# Altium PCB 6_数控电源.PcbDoc (continued)
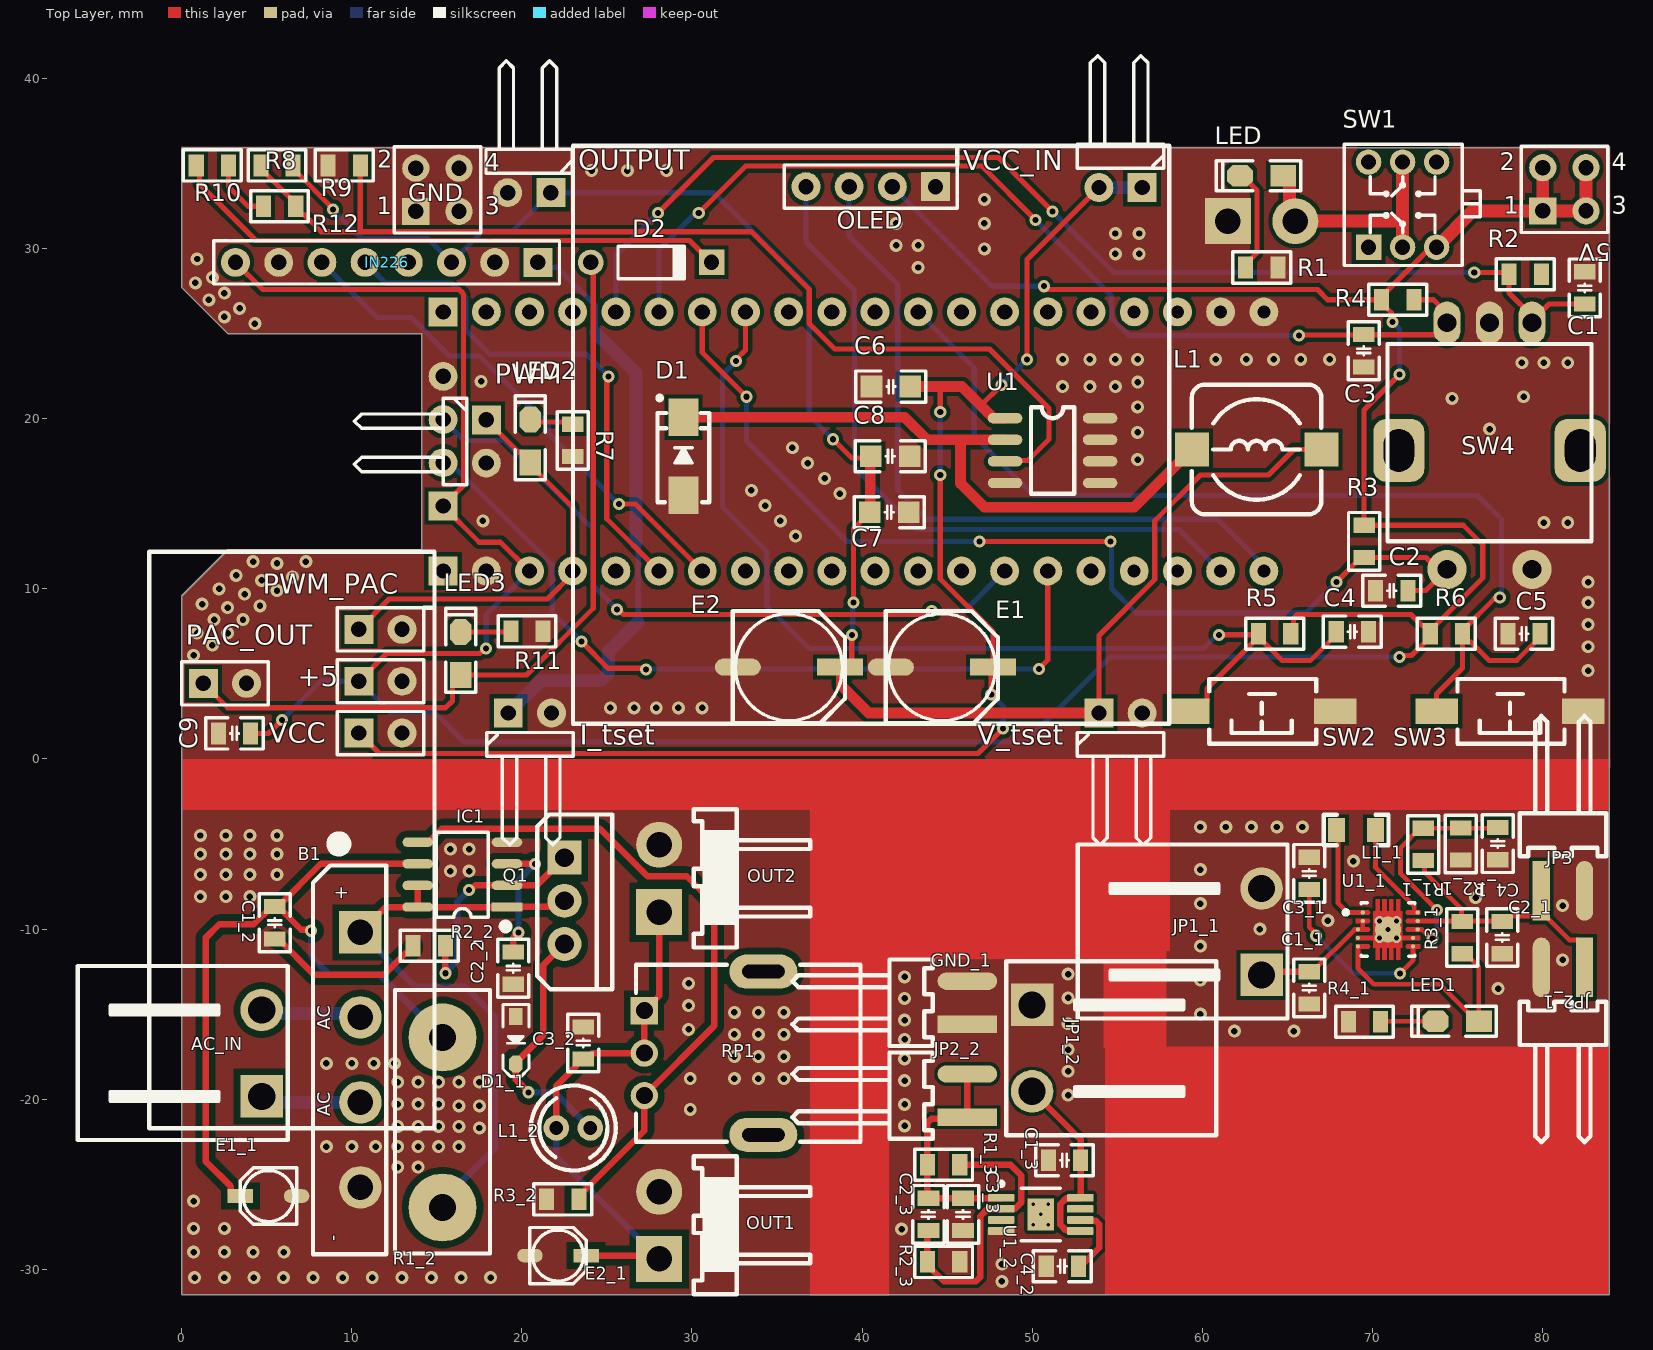
[diagram p0: Top Layer view]
## Footprints (in the part's own frame and the unit in brackets; to place one, negate y for a bottom-side part, rotate by r counter-clockwise, add the part's x,y. Pads: shape width x height; smd on the part's side, far side on the other; paste and mask are expansions set on the pad) (continued)
SMA [mm] "4.5x2.6*2.2mm（长宽高，不包括引脚）"
  rect 2.2x1.75 smd: 1(-2.3,0) 2(2.3,0)
  silkscreen extent -2.7,-1.52 3.56,1.52, body extent -2.53,-1.3 2.58,1.3, height 2.15
SOD-323 [mm] "1.8x1.3X0.9mm（长宽高，不包括引脚）"
  rect 1x0.8 smd: 1(-1.4,0)
  oct 1x0.8 smd: 2(1.4,0)
  silkscreen extent -2.11,-0.76 2.11,0.76, body extent -1.34,-0.63 1.31,0.67, height 1
SOP8 [mil] "封装库来自淘宝卖家 ID：黄晶宝石"
  oval 80x24 smd: 1(-1,-1) 2(-1,-51) 3(-1,-101) 4(-1,-151) 5(219,-151) 6(219,-101) 7(219,-51) 8(219,-1)
  silkscreen extent 59,-176 159,24, body extent -4,-174 234,24, height 63
SOP8_N [mm] "5*6*1.8mm（长宽高）封装库来自淘宝卖家 ID：黄晶宝石"
  rect 1.8x0.55 smd: 1(-2.625,1.905)
  oval 1.8x0.55 smd: 2(-2.625,0.635) 3(-2.625,-0.635) 4(-2.625,-1.905) 5(2.625,-1.905) 6(2.625,-0.635) 7(2.625,0.635) 8(2.625,1.905)
  silkscreen extent -2.69,-2.5 1.52,3.2, body extent -3,-2.5 3,2.5, height 1.9
TO220A [mm] "220，3脚晶体管  封装库来自淘宝卖家 ID：黄晶宝石"
  rect 2x2 hole 1.1: 1(-2.54,0)
  round 2 hole 1.1: 2(0,0) 3(2.54,0)
  silkscreen extent -5.08,-1.6 5.21,2.82, body extent -5.15,-1.53 5.15,2.9, height 18.5
"TSW SMD-3*6*5" [mm] "3*6*5mm"
  rect 2.5x1.5 smd: 1(-4.318,0) 2(4.318,0)
  silkscreen extent -3.21,-1.9 3.09,1.9, body extent -4.6,-1.75 4.6,1.75, height 5.1
VH3.96-WI-2P [mm] "接插件，25V/5A 淘宝ID:黄晶宝石   店铺网址:https://shop463601444.taobao.com"
  rect 2.7x2.7 hole 1.5: 1(-1.98,0)
  round 2.7 hole 1.5: 2(1.982,0)
  silkscreen extent -4.06,-8.89 4.07,-2.03, body extent -4.01,-12 4.01,0.6, height 8.76
XV09223NPV-20F [mm] "长9.85mm，宽11.55mm，高20mm       淘宝ID:黄晶宝石"
  oval 2x4 hole 0.8 slot 2.5 at 90 deg: 0(-4.8,0) 0(4.8,0)
  rect 1.6x1.6 hole 1: 1(-2.5,-7)
  round 1.6 hole 1: 2(0,-7) 3(2.5,-7)
  silkscreen extent -5.21,-7.49 5.21,5.72, body extent -4.92,-7.15 4.93,5.5, height 20

## Part data
5V GND: library part "Header 2X2", "2*2P接插件", BOM名称=2*2P接插件, 下单链接=https://item.taobao.com/item.htm?ft=t&id=613637044352, 淘宝ID=小糖豆的小窝窝
+5 AC_IN GND_1 I_tset JP1_1 JP1_2 JP2_1 JP2_2 JP3 OUT1 OUT2 OUTPUT PAC_OUT PWM PWM_PAC V_tset VCC VCC_IN 电源: library part "Header 2", "2P接插件", BOM名称=2P接插件, 下单链接=https://item.taobao.com/item.htm?ft=t&id=613637044352, 淘宝ID=小糖豆的小窝窝
B1: library part GBU, "1KV/10A整流桥", BOM名称=1KV/10A整流桥, 学习资源=https://shop463601444.taobao.com, 版权归属="封装库来自淘宝 ID：黄晶宝石"
C1 C1_1 C1_2 C1_3 C2 C2_1 C2_2 C2_3 C3 C3_1 C3_2 C3_3 C4 C4_1 C4_2 C5 C6 C7 C8 C9: library part C, "贴片电容"
  C1 C1_2 C2 C2_2 C3 C3_2: BOM名称=无极性贴片电容, 唯一出售店铺网址=https://shop463601444.taobao.com, 淘宝ID="封装库来自淘宝 ID：黄晶宝石", 联系售后，技术支持=https://shop463601444.taobao.com
  C1_1 C1_3 C2_1 C2_3 C3_1 C3_3 C4 C4_1 C4_2 C5 C6 C7 C8 C9: BOM名称=贴片电容, 下单链接=https://item.taobao.com/item.htm?ft=t&id=613637044352, 淘宝ID=小糖豆的小窝窝
D1 D1_1: "肖特基二极管", BOM名称=肖特基二极管
  D1: 下单链接=https://item.taobao.com/item.htm?ft=t&id=613637044352, 淘宝ID=小糖豆的小窝窝
  D1_1: 属性=40V/2A, 欢迎光临=https://shop463601444.taobao.com, 淘宝ID="封装库来自淘宝 ID：黄晶宝石"
D2: "开关二极管", BOM名称=高速开关二极管, 欢迎光临=https://shop463601444.taobao.com, 淘宝ID="封装库来自淘宝 ID：黄晶宝石"
E1 E2: library part CS_SMD, "贴片固态电容", BOM名称=贴片固态电容, 下单链接=https://item.taobao.com/item.htm?ft=t&id=613637044352, 淘宝ID=小糖豆的小窝窝
E1_1 E2_1: library part CE_SMD, "贴片电解电容", BOM名称=贴片电解电容, 版权归属="封装库来自淘宝 ID：黄晶宝石", 联系售后=https://shop463601444.taobao.com
IC1: "DC升降压芯片", BOM名称=DC升降压芯片, 学习资源=https://shop463601444.taobao.com, 版权归属="封装库来自淘宝 ID：黄晶宝石"
IN226: library part "Header 8", "8P接插件", BOM名称=8P接插件, 下单链接=https://item.taobao.com/item.htm?ft=t&id=613637044352, 淘宝ID=小糖豆的小窝窝
JP1 JP2: library part "Header 20", "20P接插件", BOM名称=20P接插件, 下单链接=https://item.taobao.com/item.htm?ft=t&id=613637044352, 淘宝ID=小糖豆的小窝窝
L1: library part L-CDRH, "功率屏蔽电感", BOM名称=功率屏蔽电感, 下单链接=https://item.taobao.com/item.htm?ft=t&id=613637044352, 淘宝ID=小糖豆的小窝窝
L1_1: library part L, "小功率贴片电感", BOM名称=小功率贴片电感, 下单链接=https://item.taobao.com/item.htm?ft=t&id=613637044352
L1_2: library part L-PK, "工字电感", BOM名称=工字电感, 淘宝ID="来自淘宝 ID：黄晶宝石", 联系售后=https://shop463601444.taobao.com
LED LED1 LED2 LED3: library part LED-SMD, "贴片LED", BOM名称=贴片LED
  LED LED2 LED3: 学习资源=https://shop463601444.taobao.com, 版权归属="封装库来自淘宝 ID：黄晶宝石"
  LED1: 下单链接=https://item.taobao.com/item.htm?ft=t&id=613637044352, 淘宝ID=小糖豆的小窝窝
OLED 串口: library part "Header 4", "4P接插件", BOM名称=4P接插件, 下单链接=https://item.taobao.com/item.htm?ft=t&id=613637044352, 淘宝ID=小糖豆的小窝窝
Q1: library part TIP41C, "开关三极管-NPN型", BOM名称=互补功率-NPN型, 属性="100V 6A 65W", 技术支持，联系售后=https://shop463601444.taobao.com, 联系售后="封装库来自淘宝 ID：黄晶宝石"
R1 R1_1 R1_3 R2 R2_1 R2_2 R2_3 R3 R3_1 R3_2 R4 R4_1 R5 R6 R7 R8 R9 R10 R11 R12: library part R, "贴片电阻", BOM名称=贴片电阻
  R1 R2 R2_2 R3 R3_2 R4 R7 R11: 封装库来自淘宝卖家 ID：黄晶宝石=其他店铺购入均为盗版，不享受售后技术支持服务，请立即申请退款, 版权归属="来自淘宝 ID：黄晶宝石", 联系售后=https://shop463601444.taobao.com
  R1_1 R1_3 R2_1 R2_3 R3_1 R4_1 R5 R6 R8 R9 R10 R12: 下单链接=https://item.taobao.com/item.htm?ft=t&id=613637044352, 淘宝ID=小糖豆的小窝窝
R1_2: library part R_MPR, "5W无感水泥电阻", BOM名称=大功率电阻, 版权归属="封装库来自淘宝 ID：黄晶宝石", 联系售后=https://shop463601444.taobao.com
RP1: library part RP, "单联电位器", BOM名称=插件电位器, 版权归属="封装库来自淘宝 ID：黄晶宝石", 联系售后=https://shop463601444.taobao.com
SW1: "7*7自锁开关", BOM名称=7*7自锁开关, 下单链接=https://item.taobao.com/item.htm?ft=t&id=613637044352, 淘宝ID=小糖豆的小窝窝
SW2 SW3: library part "TSW 3x6", "3x6轻触开关", BOM名称=3x6轻触开关, 下单链接=https://item.taobao.com/item.htm?ft=t&id=613637044352, 淘宝ID=小糖豆的小窝窝
SW4: "数字开关编码器", BOM名称=数字编码开关, 封装库来自淘宝卖家 ID：黄晶宝石=其他店铺购入均为盗版，不享受售后技术支持服务，请立即申请退款, 技术支持，联系售后=https://shop463601444.taobao.com, 版权归属="封装库来自淘宝 ID：黄晶宝石"
U1: BOM_JLCPCB Part Class="Extended Part", BOM_Manufacturer=UMW(友台半导体), BOM_Manufacturer Part=XL1509-ADJ, BOM_Supplier=LCSC, BOM_Supplier Part=C2681227, Contributor=LCSC, JLCPCB Part Class="Extended Part", spicePre=U, spiceSymbolName=XL1509-ADJ
U1_1: library part CMP-04918-000043-1, "IC REG BCK BST ADJ 2A 10WSON", Ambient Temperature Range High=+85°C, Ambient Temperature Range Low=-40°C, Manufacturer="Texas Instruments", Max Junction Temp=+125°C, Max Supply Voltage=12V, Min Supply Voltage=2.5V, Nominal Supply Current=30uA, Output Current=1A, Output Voltage=2.5-8V, Package=DSC0010G, Switching Frequency=2400kHz, Temperature="-40°C to +85°C", Automotive=No, Category=IC, ComponentLink2Description=Datasheet, ComponentLink2URL=http://www.ti.com/lit/ds/symlink/tps63060.pdf, Device Class L1="Integrated Circuits (ICs)", Device Class L2="Power Management ICs", Device Class L3="Voltage Regulators - Switching", Digikey Description="IC REG BCK BST ADJ 2A 10WSON", Height=0.8mm, Ipc Land Pattern Name=DFN300X300X70-10, Lead Free=Yes, Manufacturer Part Number=TPS63060DSCR, Max Duty Cycle=100%, Mouser Description="Voltage Regulators - Switching Regulators 2.5-12Vin,2.25A Sw Crnt Limit", Number Of Outputs=1, Octopart=https://octopart.com/tps63060dscr-texas+instruments-21396306, Output Type=AdjustableProgrammable, RoHS=TRUE, Standoff Height=0mm, Switching Topology=Buck-Boost, Temperature Range High=+85°C, Temperature Range Low=-40°C
U1_2: library part CMP-0394-01238-2, "Single Output High PSRR LDO, 150 mA, Adjustable 1.2 to 33 V Output, 3 to 36 V Input, with Ultra-Low Noise, 8-pin MSOP (DGN), -40 to 125 degC, Green (RoHS & no Sb/Br)", Manufacturer="Texas Instruments", Power Good=TRUE, Accuracy(%)=1.5, Code_JEDEC=MO-187, ComponentLink1Description="Manufacturer URL", ComponentLink1URL=http://www.ti.com/, ComponentLink2Description=Datasheet, ComponentLink2URL=http://www.ti.com/general/docs/lit/getliterature.tsp?genericPartNumber=TPS7A4901&fileType=pdf, ComponentLink3Description="Package Specification", ComponentLink3URL=http://www.ti.com/litv/pdf/mpds046e, DatasheetVersion=SBVS121B, Eco-Plan="Green (RoHS & no Sb/Br)", Iout(Max)(A)=0.15, Iq(Typ)(mA)=0.06, Mounting Technology="Surface Mount", PackageDescription="8-pin Plastic Small Outline, Body 3 x 3 mm, Pitch 0.65 mm", PackageReference=DGN0008D, PackageVersion=4073271/F, PartNumber=TPS7A4901DGNT, SubFamily="Single Channel LDO", Vdo(Typ)(mV)=260, Vin(Max)(V)=36, Vin(Min)(V)=3, Vout Adj(Max)(V)=33, Vout Adj(Min)(V)=1.2

## Via types
v1: diameter 0.762, hole 0.381, Top Layer to Bottom Layer, 202 vias
v2: diameter 0.711, hole 0.356, Top Layer to Bottom Layer, 46 vias
v3: diameter 0.5, hole 0.2, Top Layer to Bottom Layer, 5 vias
v4: diameter 0.6, hole 0.3, Top Layer to Bottom Layer, 5 vias

## Nets (pads, with @x,y where several pads share a name; then routed paths per layer and width w, separated by ;. In a path a pad name is that pad's centre, name@x,y a point inside that pad or via, vN(x,y) a via of type N, cw(c..) or ccw(c..) an arc to the next point about the centre after c; other vN are vias at no path point)
5V: 5V.1 5V.2 5V.3 5V.4 +5.1 C9.2 IN226.8 JP2.3 OLED.2 R2.2 R3.2 R4.2 R5.2 R6.2 SW1.3 串口.1 | length 211.5
  Top Layer w0.305: IN226.8 4.76,27.6 16.321,27.6 16.5,27.421 16.5,27.4 16.573,27.327 16.573,16.085 串口.1 17.497,12.749 18.747,12.749 JP2.3 ; C9.2 5.1,1.5 v2(5.9,2.3) ; +5.1 12.042,6.2 17.518,6.2 17.818,6.5 v2(17.9,6.5) ; v2(50.7,27.8) 50.9,27.6 66.779,27.6 67.379,27 R4.2 ; R5.2 65.364,7.518 65.364,8.28 65.585,8.5 72.277,8.5 72.928,7.849 73.119,7.849 R6.2@73.411,7.556 ; v2(71.2,25.7) 71.122,25.778 71.122,26.237 70.55,26.81 R4.2 ; v2(71.6,6) 71.678,6.078 72.313,6.078 73.411,7.175 R6.2 R6.2@73.411,7.556 ; v2(71.6,22.6) 69.521,20.521 R3.2 75.356,13.744 76.5,12.6 76.5,10.646 R6.2@73.411,7.556 ; SW1.3 73.558,29.87 73.23,29.87 70.55,27.191 R4.2
  Top Layer w0.762: SW1.3 75.918,32.23 5V.1 ; 5V.2 5V.1 ; 5V.4 5V.3 5V.1
  Bottom Layer w0.305: v2(5.9,2.3) 8.172,4.572 +5.1 12.256,2.73 14.87,2.73 16.6,1 49.6,1 54.592,5.992 62.998,5.992 63.006,6 v2(71.6,6) ; v2(17.9,6.5) 17.9,8.502 JP2.3 ; OLED.2 47.638,27.8 v2(50.7,27.8) ; v2(71.2,25.7) 71.6,25.3 v2(71.6,22.6)
FB: R8.1 R9.2 R12.2 U1.3 | length 62.6
  Top Layer w0.305: R8.1 4.65,34.709 6.377,32.983 6.408,32.983 6.7,32.691 R12.2 6.7,32.31 6.992,32.017 7.183,32.017 8.2,31 10.5,31 ; R9.2 10.5,31 ; U1.3 48.47,17.558 49.78,17.558 49.8,17.579 49.8,17.6 51,18.8 51,20.6 47.5,24.1 38.4,24.1 36.893,25.607 36.893,27.607 33.5,31 10.5,31
IN+: I_tset.1 IN226.1 | length 34.7
  Bottom Layer w0.305: IN226.1 21.228,28.912 22.069,28.912 24.321,26.66 24.321,25.079
  Bottom Layer w0.33: 26.7,12.7 26.839,12.561 26.839,8.061
  Bottom Layer w0.762: I_tset.1 21.1,4.6 24.654,4.6 25.1,5.046 25.1,6.323 26.839,8.061 ; 24.321,25.079 26.7,22.7 26.7,12.7
IN-: +5.2 C1.1 C2.1 C3.1 C4.1 C5.1 C6.1 C7.1 C8.1 C9.1 D1.1 E1.2 E2.2 GND.1 GND.2 GND.3 GND.4 I_tset.2 IN226.2 IN226.7 JP1.19 JP1.20 JP2.2 OLED.1 OUTPUT.2 PAC_OUT.2 PWM.2 PWM_PAC.2 R1.1 R7.1 R9.1 R11.1 SW2.1 SW3.1 SW4.2 SW4.C U1.4 U1.5 U1.6 U1.7 U1.8 V_tset.2 VCC.2 串口.4 电源.1
  other v1: 25.2,3 26.6,3 27.9,3 29.2,3 30.6,3 82.7,5.2 0.7,6.1 82.7,6.6 1.8,6.7 0.9,7.4 2.7,7.4 82.7,7.9 1.9,8.2 3.6,8.2 2.7,8.9 4.6,9 1.2,9.1 82.7,9.2 3.7,9.7 5.6,9.9 2.2,10 82.7,10.4 4.7,10.5 6.5,10.7 3.2,10.8 5.6,11.5 4.2,11.6 7.3,11.6 36.1,13.1 80.1,13.9 81.5,13.9 17.7,14 35.2,14 34.3,14.9 38.7,15.6 33.5,15.8 37.8,16.5 36.8,17.4 56.2,17.6 35.9,18.3 56.2,19.2 76.9,19.4 56.2,20.7 74.7,21.2 78.9,21.3 51.8,21.9 53.4,21.9 54.9,21.9 56.215,22.163 17.6,22.2 78.8,23.3 80.1,23.3 81.5,23.3 51.8,23.5 53.4,23.5 54.9,23.5 56.2,23.5 60.8,23.5 62.6,23.5 64.2,23.5 65.8,23.5 67.5,23.5 4.3,25.6 2.5,26 3.4,26.5 1.6,27 2.5,27.4 0.8,28 1.8,28.3 43.3,28.9 0.9,29.4 54.9,29.7 56.3,29.7 47.2,30 42,30.2 43.3,30.2 54.9,30.9 56.3,30.9 42,31.5 47.2,31.5 47.2,32.9 24.1,34.6 26.2,34.6 28.5,34.6
NetD2_2: D2.2 R10.2 | length 33.2
  Top Layer w0.305: R10.2 1.04,34.71 1.04,33.808 4.356,30.492 29.858,30.492 D2.2
NetLED2_2: LED2.2 R7.2 | length 2.6
  Top Layer w0.305: LED2.2 20.637,19.822 22.845,19.822 R7.2
NetLED3_2: LED3.2 R11.2 | length 3
  Top Layer w0.305: LED3.2 19.32,7.47 R11.2
NetLED_1: LED.1 SW1.2 SW1.5 电源.2 | length 14.3
  Top Layer w0.762: LED.1 64.872,34.29 65.126,34.036 65.126,31.979 电源.2 71.764,31.623 71.787,31.6 ; SW1.2 71.787,31.6 ; SW1.5 71.787,31.6
NetLED_2: LED.2 R1.2 | length 6.2
  Top Layer w0.305: LED.2 62.357,34.29 63.226,33.421 63.226,29.766 62.55,29.091 R1.2
NetR10_1: R10.1 R12.1 | length 3.8
  Top Layer w0.305: R10.1 2.75,33.65 3.9,32.5 R12.1
OUTPUT: D1.2 L1.1 U1.2 | length 37.6
  Top Layer w0.635: D1.2 42.506,20.1 43.836,18.77 45.8,18.77 ; U1.2 45.8,18.77 ; L1.1 55.99,14.8 47.2,14.8 45.8,16.2 45.8,18.77
PA0: C1.2 JP1.5 R2.1 SW4.A | length 68
  Top Layer w0.305: v2(28,32.1) 31.269,35.369 48.031,35.369 v2(51.2,32.2) ; v2(76,28.6) 77.95,28.6 R2.1 78.05,27.408 79.4,26.058 SW4.A@79.4,25.75 ; SW4.A SW4.A@79.4,25.75 ; C1.2 80.401,26.75 SW4.A@79.4,25.75
  Bottom Layer w0.305: JP1.5 25.527,29.627 v2(28,32.1) ; v2(51.2,32.2) 54.8,28.6 v2(76,28.6)
PA1: C3.2 JP1.6 R4.1 SW4.B | length 60.1
  Top Layer w0.305: v2(30.4,32.1) 33.161,34.861 47.039,34.861 v2(50.2,31.7) ; v2(65.7,24.9) 65.725,24.925 69.285,24.925 69.31,24.95 73.799,24.95 74.4,25.55 SW4.B 74.4,26.2 73.6,27 R4.1
  Bottom Layer w0.305: JP1.6 28.067,29.967 30.122,32.022 30.322,32.022 v2(30.4,32.1) ; v2(50.2,31.7) 54.673,27.227 54.673,25.918 55.691,24.9 v2(65.7,24.9)
PA2: C2.2 JP1.7 R3.1 SW4.1 | length 60.1
  Top Layer w0.305: JP1.7 30.607,23.893 v2(33.2,21.3) ; v2(46.9,12.789) v2(54.6,12.789) ; v2(67.9,10.4) 67.9,10.413 69.331,11.844 R3.1 73.166,11.844 73.86,11.15 SW4.1 73.15,9.9 C2.2
  Bottom Layer w0.305: v2(33.2,21.3) 33.2,18.7 39.111,12.789 v2(46.9,12.789) ; v2(54.6,12.789) 54.673,12.716 54.673,10.027 56.1,8.6 66.1,8.6 v2(67.9,10.4)
PA3: C4.2 JP1.8 R5.1 SW2.2 | length 61.8
  Top Layer w0.305: v2(32.6,23.4) 32.6,23.5 33.147,24.047 JP1.8 ; SW2.2 59.682,2.8 60.28,3.398 60.28,4.143 R5.1@63.312,7.175 ; v2(61,7.3) 63.246,7.3 R5.1 R5.1@63.312,7.175 ; C4.2 67.884,7.303 66.382,5.8 64.687,5.8 R5.1@63.312,7.175
  Bottom Layer w0.305: v2(32.6,23.4) 31.8,22.6 31.8,14.8 34.4,12.2 34.4,9 36.9,6.5 60.09,6.5 60.89,7.3 v2(61,7.3)
PA7: C5.2 JP1.12 R6.1 SW3.2 | length 60.6
  Top Layer w0.305: SW3.2 73.783,2.801 73.783,3.829 75.311,5.356 R6.1@75.311,7.175 ; v2(77.5,9.5) 77.422,9.422 77.177,9.422 75.311,7.556 R6.1 R6.1@75.311,7.175 ; C5.2 79.878,7.175 78.503,5.8 76.877,5.8 75.794,6.883 75.603,6.883 R6.1@75.311,7.175
  Bottom Layer w0.305: JP1.12 46.6,22.996 46.6,19 50.1,15.5 76.2,15.5 77.6,14.1 77.6,9.6 v2(77.5,9.5)
PA9/TXD1: JP2.15 串口.2 | length 47.7
  Top Layer w0.305: v2(23.5,6.9) 25.065,5.335 27.242,5.335 v2(27.307,5.27) ; v2(50.4,5.3) 50.927,5.827 JP2.15
  Bottom Layer w0.305: 串口.2 15.745,17.419 16.164,17 16.201,17 21.781,11.42 21.781,8.619 v2(23.5,6.9) ; v2(27.307,5.27) 27.336,5.3 v2(50.4,5.3)
PA10/RXD1: JP2.14 串口.3 | length 40.8
  Top Layer w0.305: v2(25.6,8.8) 25.671,8.8 25.982,8.489 43.779,8.489 43.99,8.7 v2(44.1,8.7)
  Bottom Layer w0.305: 串口.3 16.593,18.733 18.967,18.733 24.193,13.507 24.193,10.207 v2(25.6,8.8) ; v2(44.1,8.7) 46.038,8.7 JP2.14
PAC_OUT: D2.1 LED3.1 PAC_OUT.1 | length 46.9
  Top Layer w0.305: PAC_OUT.1 2.704,3.011 15.511,3.011 15.917,3.417 15.917,4.447 LED3.1 20.262,4.93 24.2,8.868 24.2,29.05 D2.1
PB6: IN226.6 JP2.7 | length 30.2
  Top Layer w0.305: v2(25.7,15) 25.709,14.991 26.665,14.991 JP2.7
  Bottom Layer w0.305: IN226.6 11.487,25.953 13.5,25.953 15.749,23.705 17.495,23.705 21.559,19.641 21.559,19.141 v2(25.7,15)
PB7: IN226.5 JP2.6 | length 31
  Top Layer w0.305: v2(25.1,22.5) 25.022,22.422 25.022,22.152 24.989,22.118 24.989,14.127 JP2.6
  Bottom Layer w0.305: IN226.5 11.986,27.994 15.864,27.994 16.701,27.157 16.701,25.217 18.118,23.8 23.8,23.8 v2(25.1,22.5)
PB9: JP2.4 LED2.1 PWM.1 PWM_PAC.1 | length 25.2
  Top Layer w0.305: PWM_PAC.1 12.194,9.4 21.5,9.4 22.987,10.887 JP2.4 22.987,14.805 20.495,17.297 LED2.1 20.495,17.551 20.012,18.034 19.812,18.034 PWM.1
PB12: JP2.20 OLED.3 | length 42.7
  Bottom Layer w0.305: OLED.3 39.243,30.757 42.101,27.899 42.101,15.799 43.8,14.1 60.9,14.1 63.627,11.373 JP2.20
PB13: JP2.19 OLED.4 | length 41.7
  Bottom Layer w0.305: OLED.4 36.703,30.397 39.561,27.539 39.561,17.139 43.2,13.5 58.636,13.5 JP2.19
VBS: C7.2 C8.2 E2.1 IN226.3 L1.2 OUTPUT.1 R8.2 V_tset.1 | length 103.5
  Top Layer w0.305: R8.2 6.55,34.709 8.9,32.359 v2(8.9,32.3) ; v2(38.3,18.8) 39.4,17.7 40.414,17.7 40.486,17.772 C8.2 ; E2.1 39.052,5.4 39.4,5.748 v2(39.4,7.3) ; v2(39.5,9.2) 39.5,13.543 C7.2 ; V_tset.1 53.93,7.267 57.213,10.55 57.213,14.013 59.9,16.7 63.9,16.7 65.4,18.2 L1.2
  Top Layer w0.635: E2.1 38.781,5.319 38.781,4.319 40.4,2.7 V_tset.1 ; C7.2 40.486,14.529 C8.2@40.486,17.772
  Bottom Layer w0.305: v2(8.9,32.3) 10.6,30.6 14.46,30.6 IN226.3 17.695,31.035 19.435,31.035 OUTPUT.1 31.3,33.3 36.9,27.7 36.9,20.2 v2(38.3,18.8) ; v2(39.4,7.3) 39.45,7.35 39.45,9.15 v2(39.5,9.2)
VCC: C6.2 E1.1 U1.1 VCC.1 VCC_IN.1 VCC_IN.2 | length 85.3
  Top Layer w0.305: VCC.1 11.62,0.318 46.818,0.318 v2(48.3,1.8) ; v2(44.6,16.7) 44.6,10.591 47.7,7.491 E1.1 47.6,5.3 v2(47.6,3.8) ; v2(44.6,20.4) 44.6,21.8 44.7,21.9 ; 46.983,20.783 v2(48.2,22) ; v2(49.7,23.5) 49.7,29.37 VCC_IN.2
  Top Layer w0.635: C6.2 44.7,21.9 45.866,21.9 46.983,20.783 47.726,20.04 U1.1
  Bottom Layer w0.305: v2(44.6,16.7) v2(44.6,20.4) ; v2(47.6,3.8) 48.3,3.1 v2(48.3,1.8) ; v2(48.2,22) v2(49.7,23.5)
  Bottom Layer w0.762: VCC_IN.2 VCC_IN.1
pads on no net: AC_IN.1 AC_IN.2 B1.AC1 B1.AC2 B1.DC+ B1.DC- C1_1.1 C1_1.2 C1_2.1 C1_2.2 C1_3.1 C1_3.2 C2_1.1 C2_1.2 C2_2.1 C2_2.2 C2_3.1 C2_3.2 C3_1.1 C3_1.2 C3_2.1 C3_2.2 C3_3.1 C3_3.2 C4_1.1 C4_1.2 C4_2.1 C4_2.2 D1_1.1 D1_1.2 E1_1.1 E1_1.2 E2_1.1 E2_1.2 GND_1.1 GND_1.2 IC1.1 IC1.2 IC1.3 IC1.4 IC1.5 IC1.6 IC1.7 IC1.8 IN226.4 JP1.1 JP1.2 JP1.3 JP1.4 JP1.9 JP1.10 JP1.11 JP1.13 JP1.14 JP1.15 JP1.16 JP1.17 JP1.18 JP1_1.1 JP1_1.2 JP1_2.1 JP1_2.2 JP2.1 JP2.5 JP2.8 JP2.9 JP2.10 JP2.11 JP2.12 JP2.13 JP2.16 JP2.17 JP2.18 JP2_1.1 JP2_1.2 JP2_2.1 JP2_2.2 JP3.1 JP3.2 L1_1.1 L1_1.2 L1_2.1 L1_2.2 LED1.1 LED1.2 OUT1.1 OUT1.2 OUT2.1 OUT2.2 Q1.1 Q1.2 Q1.3 R1_1.1 R1_1.2 R1_2.1 R1_2.2 R1_3.1 R1_3.2 R2_1.1 R2_1.2 R2_2.1 R2_2.2 R2_3.1 R2_3.2 R3_1.1 R3_1.2 R3_2.1 R3_2.2 R4_1.1 R4_1.2 RP1.0 RP1.1 RP1.2 RP1.3 SW1.1 SW1.4 SW1.6 SW4.0 U1_1.1 U1_1.2 U1_1.3 U1_1.4 U1_1.5 U1_1.6 U1_1.7 U1_1.8 U1_1.9 U1_1.10 U1_1.11 U1_2.1 U1_2.2 U1_2.3 U1_2.4 U1_2.5 U1_2.6 U1_2.7 U1_2.8 U1_2.9
copper on no net: | length 339.4
  Top Layer w0.279: 66.292,-12.511 66.483,-12.511 68.965,-10.028 69.162,-10.028 ; 66.292,-7.68 66.292,-9.883 66.688,-10.279 v2(66.688,-10.396) ; 67.907,-4.175 67.984,-4.252 67.984,-8.466 68.543,-9.025 69.45,-9.025 ; 69.165,-11.025 69.165,-12.314 70.105,-13.253 73.972,-13.253 76.143,-15.425 76.27,-15.425 76.27,-12.23 75.491,-11.45 75.3,-11.45 ; 69.165,-10.025 69.433,-10.025 69.45,-10.008 69.45,-9.525 ; 69.305,-10.523 72.398,-10.523 72.4,-10.525 ; 70.193,-4.175 70.193,-6.38 72.47,-8.657 72.47,-8.885 ; 70.498,-15.451 70.524,-15.425 73.73,-15.425 ; v2(71.641,-12.606) 72.4,-11.847 72.4,-11.025 ; 72.675,-10.025 72.906,-10.025 73.43,-10.548 v2(73.546,-10.548) ; 72.675,-9.525 75.085,-9.525 75.11,-9.55 75.3,-9.55 75.252,-9.502 75.252,-8.85 73.076,-6.675 73.076,-6.051 73,-5.975 ; v2(73.8,-8.877) 71.667,-6.744 71.667,-5.218 72.809,-4.075 73,-4.075 77.325,-4.075 77.375,-4.025 ; 75.3,-9.525 77.625,-9.525 77.65,-9.55 77.955,-9.245 79.577,-9.245 79.947,-8.875 ; 79.947,-7.754 79.947,-8.875 ; 82.487,-12.25 82.487,-11.01 82.117,-10.64 81.593,-10.64 79.947,-8.994 79.947,-8.875
  Top Layer w0.381: 3.449,-25.7 3.099,-25.7 2.89,-25.49 2.89,-25.14 1.4,-23.651 1.4,-10.523 2.197,-9.726 4.233,-9.726 5.284,-8.675 5.475,-8.675 5.665,-8.675 ; 5.475,-10.575 5.665,-10.575 7.79,-12.7 11.875,-12.7 13.155,-11.42 13.346,-11.42 13.6,-11.166 13.6,-10.975 ; v2(7.6,-10.1) 7.537,-10.037 7.027,-10.037 5.665,-8.675 ; 10.507,-10.192 11.994,-8.705 13.875,-8.705 ; 13.875,-7.435 13.875,-8.705 ; 13.875,-6.165 8.175,-6.165 5.665,-8.675 ; 13.875,-4.895 14.5,-4.895 15.295,-4.1 24.592,-4.1 27.392,-6.9 29.7,-6.9 31.3,-8.5 31.3,-15.7 27.2,-19.8 27.2,-21.86 23.4,-25.66 23.4,-25.8 23.35,-25.85 23.35,-25.9 ; v2(15.5,-12.6) 15.5,-10.975 ; v2(16.9,-7.7) 16.989,-7.7 17.254,-7.435 19.125,-7.435 20.865,-7.435 22.5,-5.8 ; 19.125,-8.705 13.875,-8.705 ; 19.125,-6.165 v2(20.776,-6.165) ; 19.5,-11.35 19.5,-10.5 v2(19.8,-10.2) ; 19.7,-8.7 22.4,-8.7 23,-8.1 ; v2(20.4,-19.6) 19.65,-18.85 19.65,-17.95 19.65,-17.85 21.243,-16.257 21.243,-12.137 22.5,-10.88 ; 22.025,-21.7 22.025,-19.225 23.155,-18.094 23.155,-17.904 23.409,-17.65 23.6,-17.65 23.79,-17.65 24.14,-17.3 27.2,-17.3 27.2,-14.8 28.071,-13.929 28.071,-9.004 ; 23.776,-29.2 27.87,-29.2 28.071,-29.401 ; 43.653,-23.667 43.846,-23.86 ; 43.907,-27.731 43.846,-27.792 43.846,-29.575 43.846,-29.766 44.799,-30.718 46.701,-30.718 46.955,-30.464 46.955,-26.881 47.346,-26.491 48.152,-26.491 48.186,-26.456 48.221,-26.422 49.027,-26.422 49.368,-26.08 49.368,-24.495 48.733,-23.86 45.746,-23.86 ; 46.193,-18.526 46.193,-21.066 46.101,-21.158 44.069,-21.158 44.034,-21.194 43.846,-21.381 43.846,-23.86 ; 48.186,-25.806 48.174,-25.819 45.952,-25.819 45.939,-25.831 43.907,-25.831 43.846,-25.77 43.846,-23.86 ; 50.003,-19.542 52.858,-22.397 52.858,-23.606 52.858,-25.784 52.836,-25.806 52.802,-25.841 51.996,-25.841 51.654,-26.182 51.654,-27.38 51.996,-27.722 52.802,-27.722 52.836,-27.756 ; 52.797,-30.083 52.797,-29.893 53.954,-28.736 53.954,-27.364 53.731,-27.141 52.871,-27.141 52.836,-27.106 ; 63.498,-12.699 63.686,-12.511 66.292,-12.511
  Bottom Layer w0.279: v2(66.688,-10.396) 68.898,-12.606 v2(71.641,-12.606) ; v2(73.546,-10.548) 73.546,-10.432 73.8,-10.178 v2(73.8,-8.877)
  Bottom Layer w0.381: v2(7.6,-10.1) 7.6,-11.6 8.7,-12.7 11.658,-12.7 15.333,-16.375 ; 10.507,-10.192 13.715,-13.4 16.677,-13.4 18.4,-15.123 18.4,-22.9 15.333,-25.967 15.333,-26.375 ; v2(15.5,-12.6) 16.2,-11.9 16.2,-8.4 v2(16.9,-7.7) ; v2(19.8,-10.2) 19.8,-7.141 v2(20.776,-6.165) ; v2(20.4,-19.6) 21.925,-19.6 24.025,-21.7 ; 22.025,-21.7 22.025,-23.355 28.071,-29.401
  Bottom Layer w0.762: 4.7,-19.84 5.052,-20.192 10.507,-20.192 ; 4.7,-14.76 4.916,-14.976 10.291,-14.976 10.507,-15.192
  other v1: 48.225,-30.718 0.76,-30.5 2.5,-30.5 4.24,-30.5 5.98,-30.5 7.72,-30.5 9.46,-30.5 11.2,-30.5 12.94,-30.5 14.68,-30.5 16.42,-30.5 18.16,-30.5 48.225,-29.702 0.7,-29 2.5,-29 4.2,-29 6,-29 42.332,-27.645 0.7,-27.6 2.5,-27.6 0.7,-26 12.7,-24 13.9,-24 8.5,-22.8 10,-22.8 11.4,-22.8 12.7,-22.8 13.9,-22.8 15.1,-22.8 16.3,-22.8 17.5,-21.7 12.7,-21.6 13.9,-21.6 15.1,-21.6 16.3,-21.6 42.51,-21.574 29.9,-20.6 16.3,-20.4 17.5,-20.4 12.7,-20.3 13.9,-20.3 15.1,-20.3 42.51,-20.304 52.121,-19.76 12.7,-19 13.9,-19 15.1,-19 16.3,-19 17.5,-19 42.51,-18.907 29.9,-18.8 32.5,-18.8 33.9,-18.8 35.4,-18.8 52.121,-18.363 8.5,-17.9 10,-17.9 11.3,-17.9 12.5,-17.9 42.51,-17.637 32.5,-17.5 33.9,-17.5 35.4,-17.5 52.121,-17.093 42.51,-16.494 32.5,-16.2 33.9,-16.2 35.4,-16.2 61.9,-16 65.4,-16 29.8,-15.9 52.121,-15.569 42.51,-15.351 59.9,-15 32.5,-14.9 33.9,-14.9 35.4,-14.9 29.8,-14.5 42.51,-14.081 52.121,-14.045 77.4,-13.5 29.8,-13.2 59.9,-13 42.51,-12.811 52.121,-12.648 81.192,-11.818 59.9,-11 63.4,-10 67.4,-9.5 81.192,-8.618 59.9,-8.5 76.086,-8.161 1.1,-8.1 2.6,-8.1 4,-8.1 1.1,-6.8 2.6,-6.8 4,-6.8 5.6,-6.8 15.8,-6.6 16.9,-6.6 59.9,-6.5 68.9,-6 1.1,-5.6 2.6,-5.6 4,-5.6 5.6,-5.6 15.8,-5.3 16.9,-5.3 1.1,-4.5 2.6,-4.5 4,-4.5 5.6,-4.5 59.9,-4 61.4,-4 62.9,-4 64.4,-4 65.9,-4
  other v3: 50.061,-27.381 50.961,-27.381 50.511,-26.781 50.061,-26.181 50.961,-26.181
  other v4: 70.425,-10.525 71.425,-10.525 70.925,-10.025 70.425,-9.525 71.425,-9.525

## Polygon pours and split planes (outlines as drawn)
no net on Top Layer "NONET_L01_P010" (solid, remove dead copper, pour order 10): 54.371,-11.795 54.371,-31.545 41.621,-31.545 41.621,-11.795
no net on Top Layer "NONET_L01_P009" (solid, remove dead copper, pour order 9): 0,-3 36.9,-3 36.9,-31.5 0,-31.5
no net on Top Layer "NONET_L01_P006" (solid, remove dead copper, pour order 6): 57.9,-3 83.9,-3 83.9,-17 57.9,-17
IN- on Top Layer "IN-_L01_P000" (solid, remove dead copper, pour order 0): 0,36 84,36 84,0 0,0 0,9.6 2.6,12.2 14,12.2 14.1,12.3 14.1,25 2.7,25 0,27.7 0,27.8
no net on Bottom Layer "NONET_L02_P011" (solid, remove dead copper, pour order 11): 54.371,-11.795 41.621,-11.795 41.621,-31.545 54.371,-31.545
no net on Bottom Layer "NONET_L02_P008" (solid, remove dead copper, pour order 8): 0,-3 36.8,-3 36.8,-31.5 0,-31.5
no net on Bottom Layer "NONET_L02_P007" (solid, remove dead copper, pour order 7): 57.9,-3 83.9,-3 83.9,-17 57.9,-17
IN- on Bottom Layer "IN-_L02_P001" (solid, remove dead copper, pour order 1): 0,36 84,36 84,-0.1 0,-0.1 0,9.6 2.7,12.3 14.1,12.3 14.1,25 2.7,25 0,27.7

## Other copper
Top Layer:
  rectangle net IN-: 54.2,-17 57.9,-11.2
  rectangle net IN-: 36.9,-31.545 41.621,-11.3
  rectangle: 54.3,-31.5 83.9,-16.9
  rectangle net IN-: 36.9,-11.3 58.1,-3
  rectangle net IN-: 0,-3 83.9,-0.5
  rectangle net IN-: 0,-0.5 84,0
  rectangle: 40.6,-11.8 55,-11.1
  rectangle net IN-: 80.7,-3 83.9,-0.5

## Silkscreen, mask and mechanical layers (free items; w line width, h text height)
Top Overlay:
  lines w0.254: 14.224,8.89 14.859,8.89 ; 45.599,34.95 45.599,36.057 ; 58.008,2.067 23.008,2.067 23.008,36.067 58.06,36.067 58.06,2.067 ; -1.905,-21.717 14.859,-21.717 14.859,12.192 -1.905,12.192 -1.905,-4.953 -1.905,-21.717
Bottom Overlay:
  text "DC_5V0.15A" at 42.23,-12.045 h2.03 r270
  text "DC_5V1A" at 83.449,-13.749 h2.03 r90
  text "DC_12V" at 52.73,-14.045 h2.03 r270
  text "DC_4.5~12V" at 59.541,-15.5 h2.03 r90
  text "AC_2.5~40V" at 2.251,-24.1 h2.54 r90
  text "DC_1.25~40V" at 31.851,-24.1 h2.54 r90
Mechanical 1:
  lines w0.254: -4.708,-29.993 -4.2,-31.517 ; -4.708,34.4 -4.2,35.924 ; -4.454,-31.517 -3.946,-31.517 ; -4.454,35.924 -3.946,35.924 ; -4.2,-5.694 -4.2,-31.517 ; -4.2,10.1 -4.2,35.924 ; -3.692,-29.993 -4.2,-31.517 ; -3.692,34.4 -4.2,35.924 ; 0,-3.025 0,-31.5 36.85,-31.5 83.95,-31.5 83.95,-17.038 ; 0,-3 0,0 0,9.6 2.7,12.3 14.078,12.3 ; 0,27.75 0,27.7 2.7,25 ; 14.097,12.319 14.097,25.019 12.827,25.019 2.706,25.019 0,27.725 0,35.941 83.947,35.941 83.947,0 83.947,-3 ; 41.621,-31.48 54.321,-31.48 ; 83.95,-17.013 83.95,-3
  text "67.441 (mm)" at -3.286,-5.44 h1.52 r90

## Text inside footprints (layer, text, board x,y; h text height)
5V: Top Overlay "1" at 77.744,31.722 h1.78; Top Overlay "2" at 77.49,34.262 h1.78; Top Overlay "4" at 84.094,34.262 h1.78; Top Overlay "3" at 84.094,31.722 h1.78
B1: Top Overlay "AC" at 8.983,-15.914 h1.27 r90; Top Overlay "AC" at 8.983,-20.994 h1.27 r90; Top Overlay "+" at 9.999,-8.294 h1.27 r90; Top Overlay "-" at 9.491,-28.36 h1.27 r90
GND: Top Overlay "1" at 11.474,31.692 h1.78; Top Overlay "2" at 11.5,34.4 h1.78; Top Overlay "4" at 17.824,34.232 h1.78; Top Overlay "3" at 17.824,31.692 h1.78